# Altium PCB Clock_pcb.PcbDoc (part 1 of 2)
Units mil, origin at the board's own origin, x right, y up, seen from the top; angles counter-clockwise.
Board outline 6729 x 5417 mil, 2 copper layers (Top Layer, Bottom Layer); 84 components, 147 nets, 544 pads, 70 vias.
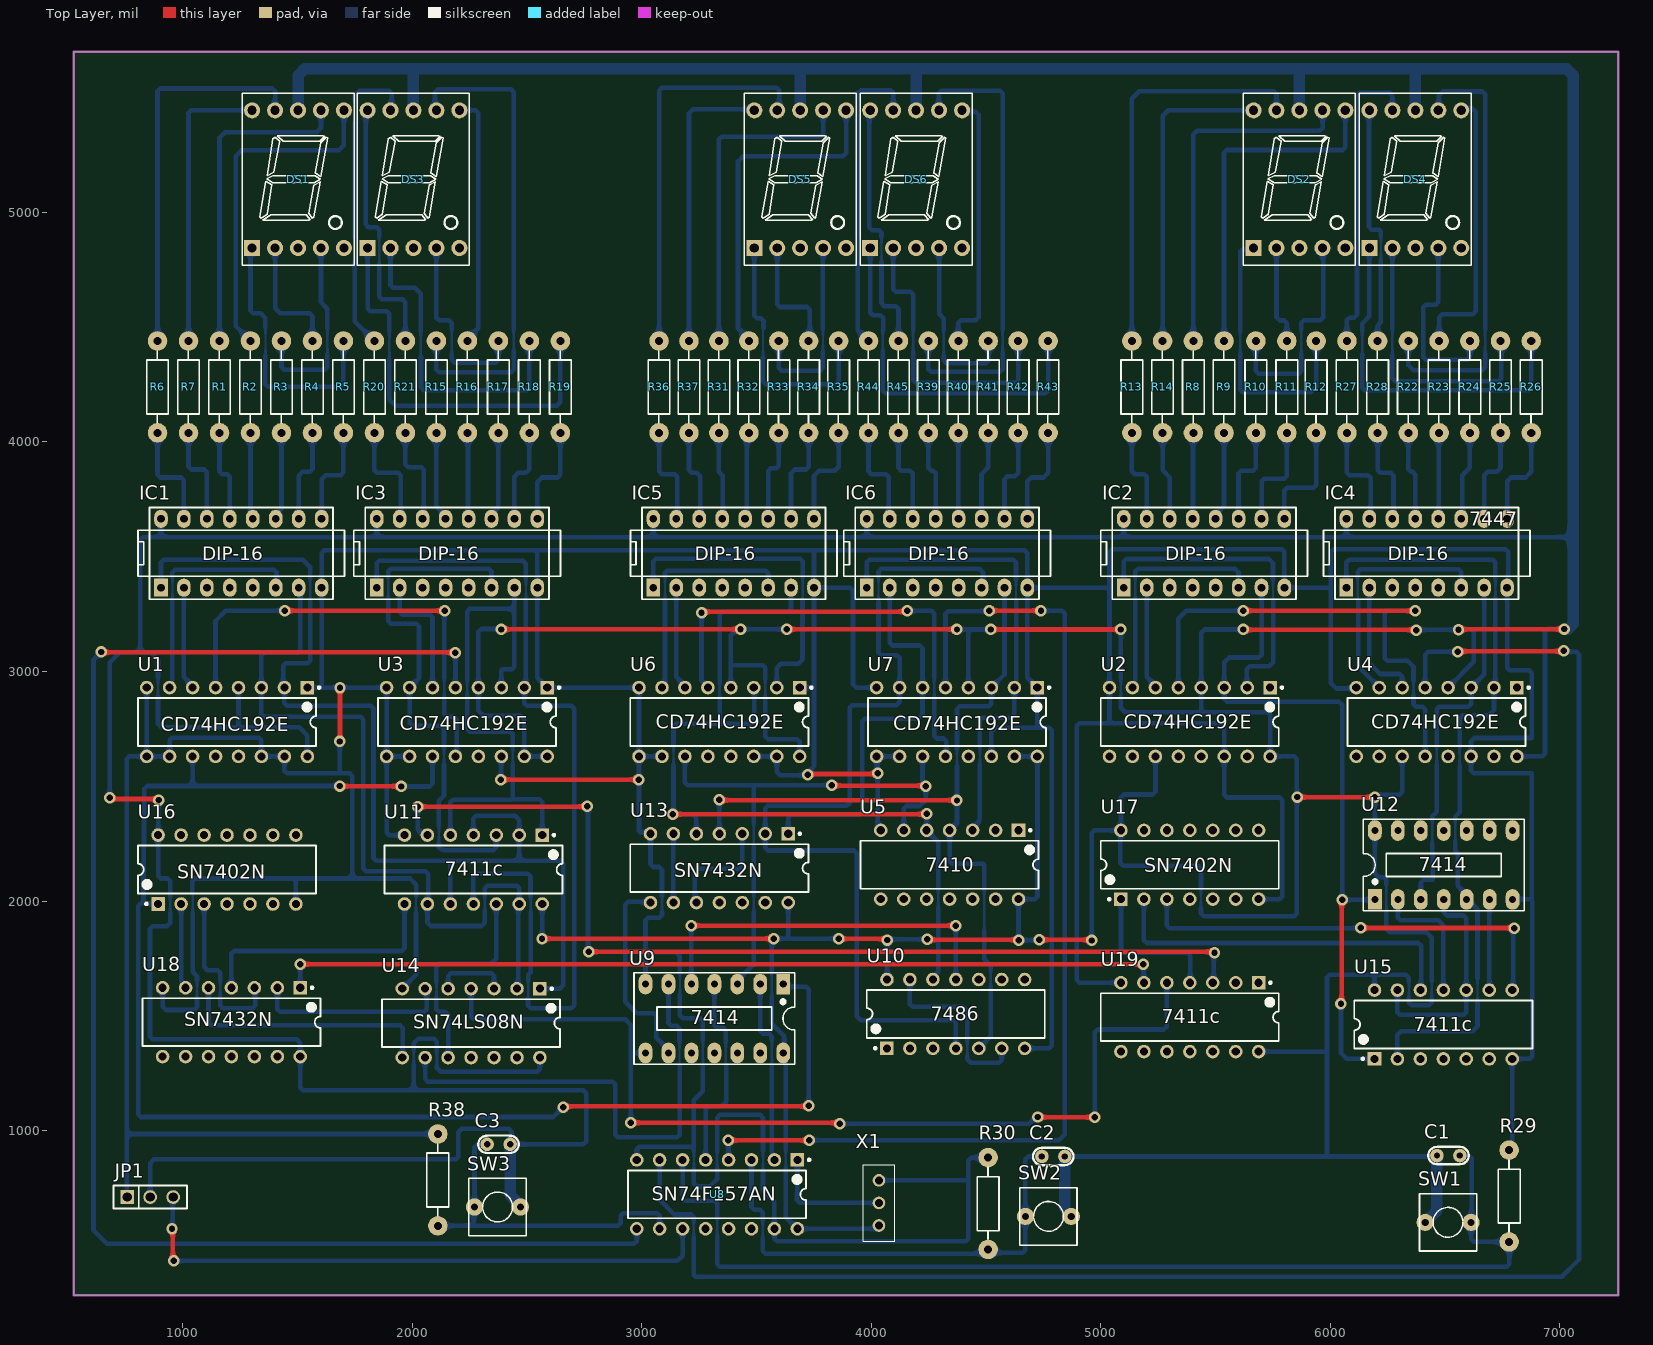
[diagram p0: Top Layer view]
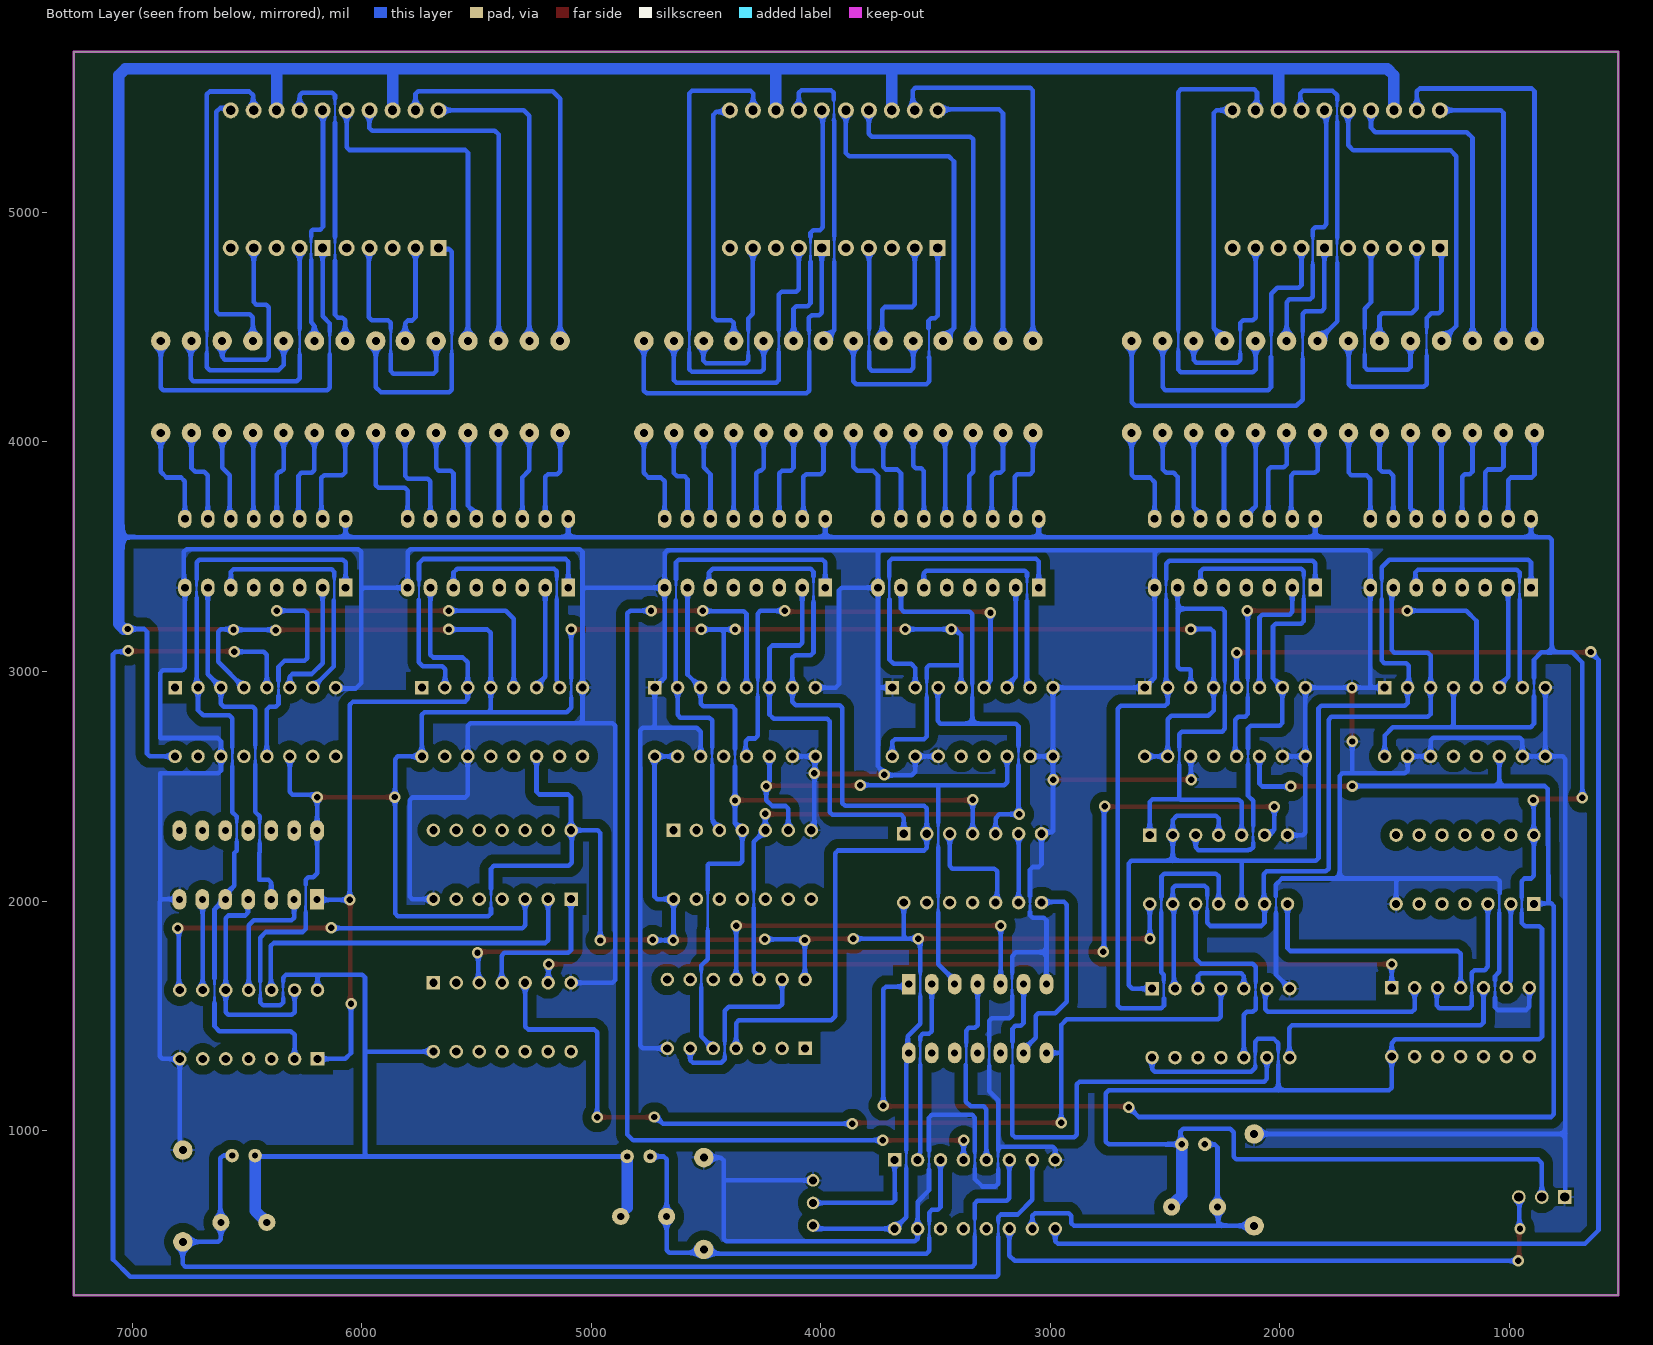
[diagram p1: Bottom Layer view, seen from below]
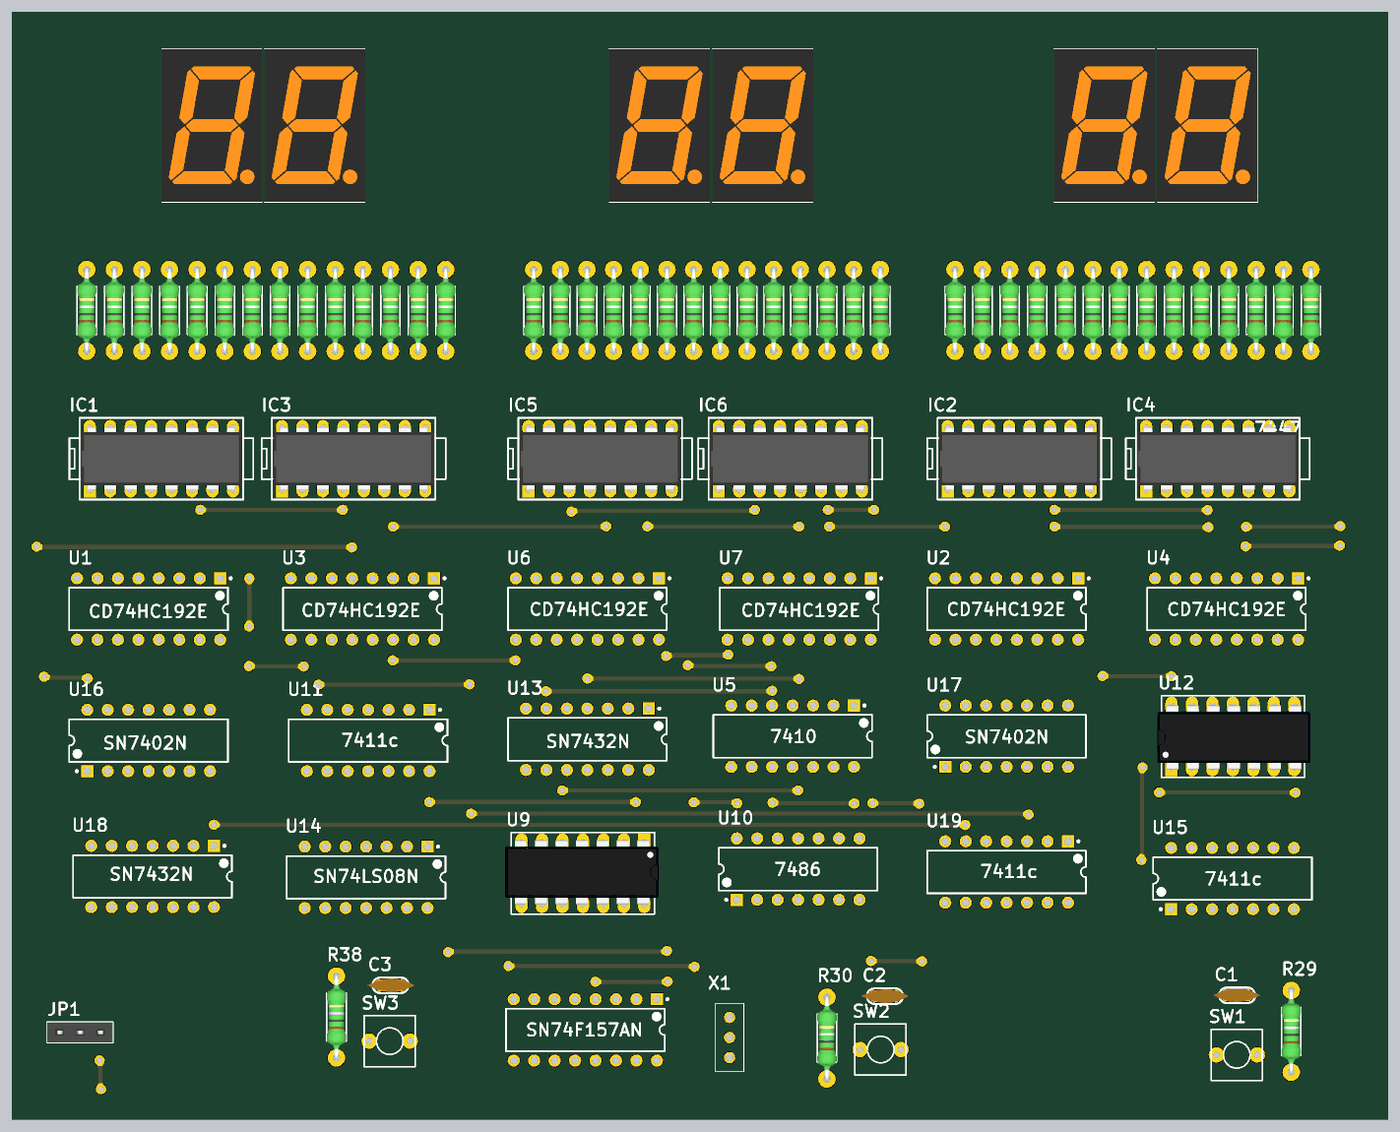
[diagram p3: 3D render of the assembled board from above, using the file's embedded part models]

## Layer stack, top to bottom
Top Solder: solder mask 0.4, Solder Resist, Dk 3.5
Top Layer: signal copper 1.4
Dielectric 1: dielectric 12.6, FR-4, Dk 4.8
Bottom Layer: signal copper 1.4
Bottom Solder: solder mask 0.4, Solder Resist, Dk 3.5

## Board outline
525,283 525,618 525,5700 7254,5700 7254,283

## Design rules (kind name [scope] priority, off if disabled: settings)
Clearance [All] p1: gap=40 ignorepadtopadclearanceinfootprint=FALSE
PolygonConnect [All] p1: connectstyle=Relief reliefconductorwidth=10 reliefentries=4 polygonreliefangle="90 Angle" airgapwidth=10
RoutingVias [All] p1: holewidth=28 width=50 viastyle="Through Hole" minholewidth=15 minwidth=35 maxholewidth=28 maxwidth=50
SolderMaskExpansion [All] p1: expansion=4 istentingtop=FALSE
Width [All] p1: maxlimit=50 minlimit=10 preferedwidth=20
30 further rules are at their usual default settings.

## Classes and differential pairs
component class SCH_RESETDAY: U10 U11 U12 U13 U14 U15 U16 U17 U18 U19
component class Month: C1 C2 C3 DS5 DS6 IC5 IC6 JP1 R29 R30 R31 R32 R33 R34 R35 R36 R37 R38 R39 R40 R41 R42 R43 R44 R45 SW1 SW2 SW3 U6 U7 U8 U9 X1
component class Day: DS1 DS2 DS3 DS4 IC1 IC2 IC3 IC4 R1 R2 R3 R4 R5 R6 R7 R8 R9 R10 R11 R12 R13 R14 R15 R16 R17 R18 R19 R20 R21 R22 R23 R24 R25 R26 R27 R28 U1 U2 U3 U4 U5

## Components (designator, comment, footprint, x,y, rotation, side; value= is the part's Value field where it differs from the comment)
C1 "104" "tu gom" 6514,891 r180 top
C2 "104" "tu gom" 4793,887 r0 top
C3 "104" "tu gom" 2376,940 r0 top
DS1 "7SEG" LED7SEG-1-0.56 1497.05,5120 r0 top
DS2 "7SEG" LED7SEG-1-0.56 5860,5120 r0 top
DS3 "7SEG" LED7SEG-1-0.56 2000,5120 r0 top
DS4 "7SEG" LED7SEG-1-0.56 6365,5120 r0 top
DS5 "7SEG" LED7SEG-1-0.56 3685,5120 r0 top
DS6 "7SEG" LED7SEG-1-0.56 4190,5120 r0 top
IC1 "7447" DIP16 1255.29,3515.08 r0 top value="7447 , 74247"
IC2 "7447" DIP16 5450,3515.08 r0 top value="7447 , 74247"
IC3 "7447" DIP16 2195.29,3515.08 r0 top value="7447 , 74247"
IC4 "7447" DIP16 6420,3515.08 r0 top value="7447 , 74247"
IC5 "7447" DIP16 3400.29,3515.08 r0 top value="7447 , 74247"
IC6 "7447" DIP16 4330.29,3515.08 r0 top value="7447 , 74247"
JP1 "JP 1x3 2.54" "JP 1x3 CT" 758,710 r0 top
R1 "Res" RES-1/4W 1155,4225 r270 top
R2 "Res" RES-1/4W 1290,4225 r270 top
R3 "Res" RES-1/4W 1425,4225 r270 top
R4 "Res" RES-1/4W 1560,4225 r270 top
R5 "Res" RES-1/4W 1695,4225 r270 top
R6 "Res" RES-1/4W 885,4225 r270 top
R7 "Res" RES-1/4W 1020,4225 r270 top
R8 "Res" RES-1/4W 5397.69,4225 r270 top
R9 "Res" RES-1/4W 5531.54,4225 r270 top
R10 "Res" RES-1/4W 5670,4225 r270 top
R11 "Res" RES-1/4W 5805,4225 r270 top
R12 "Res" RES-1/4W 5933.08,4225 r270 top
R13 "Res" RES-1/4W 5130,4225 r270 top
R14 "Res" RES-1/4W 5263.85,4225 r270 top
R15 "Res" RES-1/4W 2100,4225 r270 top
R16 "Res" RES-1/4W 2235,4225 r270 top
R17 "Res" RES-1/4W 2370,4225 r270 top
R18 "Res" RES-1/4W 2505,4225 r270 top
R19 "Res" RES-1/4W 2640,4225 r270 top
R20 "Res" RES-1/4W 1830,4225 r270 top
R21 "Res" RES-1/4W 1965,4225 r270 top
R22 "Res" RES-1/4W 6334.61,4225 r270 top
R23 "Res" RES-1/4W 6468.46,4225 r270 top
R24 "Res" RES-1/4W 6602.31,4225 r270 top
R25 "Res" RES-1/4W 6736.15,4225 r270 top
R26 "Res" RES-1/4W 6870,4225 r270 top
R27 "Res" RES-1/4W 6066.92,4225 r270 top
R28 "Res" RES-1/4W 6200.77,4225 r270 top
R29 "Res" RES-1/4W 6774,700 r270 top
R30 "Res" RES-1/4W 4504,667 r270 top
R31 "Res" RES-1/4W 3330.77,4225 r270 top
R32 "Res" RES-1/4W 3461.15,4225 r270 top
R33 "Res" RES-1/4W 3591.54,4225 r270 top
R34 "Res" RES-1/4W 3721.92,4225 r270 top
R35 "Res" RES-1/4W 3852.31,4225 r270 top
R36 "Res" RES-1/4W 3070,4225 r270 top
R37 "Res" RES-1/4W 3200.38,4225 r270 top
R38 "Res" RES-1/4W 2106,770 r270 top
R39 "Res" RES-1/4W 4243.46,4225 r270 top
R40 "Res" RES-1/4W 4373.85,4225 r270 top
R41 "Res" RES-1/4W 4504.23,4225 r270 top
R42 "Res" RES-1/4W 4634.62,4225 r270 top
R43 "Res" RES-1/4W 4765,4225 r270 top
R44 "Res" RES-1/4W 3982.69,4225 r270 top
R45 "Res" RES-1/4W 4113.08,4225 r270 top
SW1 "Nut Nhan 2 Chan ( Dip )" SW2 6413,600 r0 top
SW2 "Nut Nhan 2 Chan ( Dip )" SW2 4871,626 r180 top
SW3 "Nut Nhan 2 Chan ( Dip )" SW2 2471,667 r180 top
U1 "CD74HC192E" N0016A 1192.73,2780 r270 top
U2 "CD74HC192E" N0016A 5387.44,2780 r270 top
U3 "CD74HC192E" N0016A 2237.98,2780 r270 top
U4 "CD74HC192E" N0016A 6462.68,2780 r270 top
U5 "7410" N0014A 4341,2158 r270 top
U6 "CD74HC192E" N0016A 3337.73,2780 r270 top
U7 "CD74HC192E" N0016A 4372.98,2780 r270 top
U8 "SN74F157AN" N0016A 3327.73,722.03 r270 top
U9 "7414" DIP14 3616.01,1638 r180 top
U10 "7486" N0014A 4368,1508 r90 top
U11 "7411c" N0014A 2266,2137.03 r270 top
U12 "7414" DIP14 6193.7,2007 r0 top
U13 "SN7432N" N0014A 3337.73,2143 r270 top
U14 "SN74LS08N" N0014A 2256,1468.03 r270 top
U15 "7411c" N0014A 6492,1462 r90 top
U16 "SN7402N" N0014A 1192.73,2137.03 r90 top
U17 "SN7402N" N0014A 5387.44,2158 r90 top
U18 "SN7432N" N0014A 1212,1472 r270 top
U19 "7411c" N0014A 5387.44,1494 r270 top
X1 "SS12D00G3" SS12D00G3 4033,684.57 r90 top

## Footprints (in the part's own frame and the unit in brackets; to place one, negate y for a bottom-side part, rotate by r counter-clockwise, add the part's x,y. Pads: shape width x height; smd on the part's side, far side on the other; paste and mask are expansions set on the pad)
DIP14 [mil] "DIP, 14-Leads, Row Spacing 7.62mm, Pitch 2.54mm, Body 19.2x6.6mm"
  rect 60x90 hole 31: 1(0,0)
  oval 60x90 hole 31: 2(100,0) 3(200,0) 4(300,0) 5(400,0) 6(500,0) 7(600,0) 8(600,300) 9(500,300) 10(400,300) 11(300,300) 12(200,300) 13(100,300) 14(0,300)
  silkscreen extent -50,-50 650,350, body extent -70,-12 680,302, height 145
DIP16 [mm]
  rect 1.5x2 hole 0.864: 1(-8.897,-3.812)
  oval 1.5x2 hole 0.864: 2(-6.357,-3.812) 3(-3.817,-3.812) 4(-1.277,-3.812) 5(1.263,-3.812) 6(3.803,-3.812) 7(6.343,-3.812) 8(8.883,-3.812) 9(8.883,3.808) 10(6.343,3.808) 11(3.803,3.808) 12(1.263,3.808) 13(-1.277,3.808) 14(-3.817,3.808) 15(-6.357,3.808) 16(-8.897,3.808)
  silkscreen extent -11.44,-5.08 11.42,5.08, body extent -10,-3.93 10,3.94, height 1.99
"JP 1x3 CT" [mm]
  rect 1.52x1.52 hole 1.02: 1(0,0)
  round 1.52 hole 1.02: 2(2.54,0) 3(5.08,0)
  silkscreen extent -1.52,-1.27 6.6,1.27, body extent -1.52,-1.25 6.6,1.25, height 8.51
LED7SEG-1-0.56 [mil]
  rect 70x70 hole 40: 1(-195,-275)
  round 70 hole 40: 2(-95,-275) 3(5,-275) 4(105,-275) 5(205,-275) 6(205,325) 7(105,325) 8(5,325) 9(-95,325) 10(-195,325)
  silkscreen extent -239,-350 249,400, body extent -241,-349 251,399, height 315
N0014A [mm] "DIP, 14-Leads, Body 19.7x6.6mm, Pitch 2.54mm"
  rect 1.5x1.5 hole 0.9: 1(-3.81,7.62)
  round 1.5 hole 0.9: 2(-3.81,5.08) 3(-3.81,2.54) 4(-3.81,0) 5(-3.81,-2.54) 6(-3.81,-5.08) 7(-3.81,-7.62) 8(3.81,-7.62) 9(3.81,-5.08) 10(3.81,-2.54) 11(3.81,0) 12(3.81,2.54) 13(3.81,5.08) 14(3.81,7.62)
  silkscreen extent -3.93,-9.85 2.65,9.85, body extent -3.95,-9.85 3.95,9.85, height 5.08
N0016A [mm] "DIP, 16-Leads, Body 19.7x6.6mm, Pitch 2.54mm"
  rect 1.5x1.5 hole 0.9: 1(-3.81,8.89)
  round 1.5 hole 0.9: 2(-3.81,6.35) 3(-3.81,3.81) 4(-3.81,1.27) 5(-3.81,-1.27) 6(-3.81,-3.81) 7(-3.81,-6.35) 8(-3.81,-8.89) 9(3.81,-8.89) 10(3.81,-6.35) 11(3.81,-3.81) 12(3.81,-1.27) 13(3.81,1.27) 14(3.81,3.81) 15(3.81,6.35) 16(3.81,8.89)
  silkscreen extent -3.93,-9.85 2.65,10.32, body extent -3.95,-9.85 3.95,9.85, height 5.08
RES-1/4W [mil]
  round 85 hole 35: 1(-215,5) 2(185,5)
  silkscreen extent -173,-42 141,52, body extent -227,-42 197,52, height 95
SS12D00G3 [mm]
  round 1.4 hole 0.9: 1(-2.5,0) 2(0,0) 3(2.5,0)
  silkscreen extent -4.25,-1.75 4.25,1.75
SW2 [mil] "SW button 2pin, 250x 250 mil"
  round 75 hole 31: 1(0,0) 2(200,0)
  silkscreen extent -25,-125 225,125
"tu gom" [mm] "Tu gom mini"
  round 1.5 hole 0.7: 1(-1.27,0) 2(1.27,0)
  silkscreen extent -2.25,-0.97 2.22,0.97, body extent -2.92,-0.85 2.92,0.85, height 6.12

## Part data
C1 C2 C3: library part "Tu gom 104 50V", "Cắm", Chung_Loai=Cắm, Don_Vi=Con, Ma_Hang=MH004761, So_Chan=2, Ten_Linh_Kien="Tụ gốm 104 100nF 50V"
DS1 DS2 DS3 DS4 DS5 DS6: library part LED7SEG-1, "14.2 mm General Purpose Blue 7-Segment Display: CC, RH DP, Gray Surface", Colour=Blue, PackageDocument=24-Sep-2002, ComponentLink1Description="Manufacturer Link", ComponentLink1URL=http://www.agilent.com/, DatasheetDocument=24-Sep-2002, LatestRevisionDate=17-Dec-2003, LatestRevisionNote="Schematic revised, PCB Footprint replaced.", MinimumIntensity="2020 ucd", Note="IF = 10 mA", PackageReference=H, Published=8-Jun-2000, Publisher="Altium Limited"
IC1 IC2 IC3 IC4 IC5 IC6: "BCD to 7-Segment Decoder/Driver"
JP1: library part "JP 1x3 2.54 Cai Thang", "Cắm", Chung_Loai=Cắm, Don_Vi=Con, Ma_Hang=MH004006, Ten_Linh_Kien="Jump Đơn Cái 2.54MM 1x20P Thẳng"
R1 R2 R3 R4 R5 R6 R7 R8 R9 R10 R11 R12 R13 R14 R15 R16 R17 R18 R19 R20 R21 R22 R23 R24 R25 R26 R27 R28 R29 R30 R31 R32 R33 R34 R35 R36 R37 R38 R39 R40 R41 R42 R43 R44 R45: Manufacturer="Generic Components", Class=Passive, Published=08/06/2000, Publisher="Altium Hobart Technology Centre", SubClass=R
SW1 SW2 SW3: "Cắm", Chung_Loai=Cắm, Don_Vi=Con, Ma_Hang=MH001959, Ten_Linh_Kien="Nút Nhấn 2 Chân 6x6x5MM DIP"
U1 U2 U3 U4 U6 U7: library part 74192, "High Speed CMOS Logic Presettable Synchronous BCD Decade Up/Down Counter with Asynchronous Reset, N0016A, TUBE", F @ Nom Voltage(Max)(Mhz)=28, Generic Part Number=CD74HC192, ICC @ Nom Voltage(Max)(mA)=0.08, Manufacturer="Texas Instruments", Operating Temperature Range(C)="-55 to 125", Rating=Catalog, tpd @ Nom Voltage(Max)(ns)=46, Voltage(Nom)(V)=3.3,5, Bits(#)=4, Code_JEDEC=MS-001, DatasheetVersion=SCHS163F, Function=Counter, Input Type=LVTTL/CMOS, Inputs=1, Output Drive (IOL/IOH)(Max)(mA)=5.2/-5.2, Output Type=CMOS, PackageReference=N0016A, Schmitt Trigger=No, Technology Family=HC, Type=Decade, VCC(Max)(V)=6, VCC(Min)(V)=2
U5: "Triple 3-input positive-NAND gates, N0014A, TUBE", F @ Nom Voltage(Max)(Mhz)=70, Generic Part Number=SN74F10, ICC @ Nom Voltage(Max)(mA)=0.0077, Manufacturer="Texas Instruments", Operating Temperature Range(C)="0 to 70", Rating=Catalog, tpd @ Nom Voltage(Max)(ns)=6, Voltage(Nom)(V)=5, Bits(#)=3, Code_JEDEC=MS-001, DatasheetVersion=SDFS039A, Input Type=TTL, Output Drive (IOL/IOH)(Max)(mA)=1/-20, Output Type=TTL, PackageReference=N0014A, Schmitt Trigger=No, Technology Family=F, VCC(Max)(V)=5.5, VCC(Min)(V)=4.5
U8: library part CMP-1633-00611-2, "Quadruple 2-Line To 1-Line Data Selectors/Multiplexers, N0016A, TUBE", F @ Nom Voltage(Max)(Mhz)=70, Generic Part Number=SN74F157A, ICC @ Nom Voltage(Max)(mA)=23, Manufacturer="Texas Instruments", Operating Temperature Range(C)="0 to 70", Rating=Catalog, tpd @ Nom Voltage(Max)(ns)=11, Voltage(Nom)(V)=5, Channels(#)=4, Code_JEDEC=MS-001, Configuration=2：1, DatasheetVersion=SDFS053A, Function=Encoder/Multiplexer, Output Drive (IOL/IOH)(Max)(mA)=20/-1, PackageReference=N0016A, Schmitt Trigger=No, Technology Family=F, Type=Standard, VCC(Max)(V)=5.5, VCC(Min)(V)=4.5
U9 U12: "IC, M74HC04M, Hex Inverter, SO-14", Text Field1=ST, Text Field2=M74HC04M1R, Text Field3=Mouser, Text Field4=511-M74HC04M, Text Field5=SO-14, Text Field6=.22
U10: "High Speed CMOS Logic Quad 2-Input Exclusive-OR Gates, N0014A, TUBE", F @ Nom Voltage(Max)(Mhz)=70, Generic Part Number=CD74HC86, ICC @ Nom Voltage(Max)(mA)=0.02, Manufacturer="Texas Instruments", Operating Temperature Range(C)="-55 to 125", Rating=Catalog, tpd @ Nom Voltage(Max)(ns)=30, Voltage(Nom)(V)=5, Bits(#)=4, DatasheetVersion=SCHS137D, Input Type=CMOS, Output Drive (IOL/IOH)(Max)(mA)=5.2/-5.2, Output Type=CMOS, PackageReference=N0014A, Schmitt Trigger=No, Technology Family=HC, VCC(Max)(V)=6, VCC(Min)(V)=2
U11 U15 U19: "High Speed CMOS Logic Triple 3-Input AND Gates, N0014A, TUBE", F @ Nom Voltage(Max)(Mhz)=70, Generic Part Number=CD74HC11, ICC @ Nom Voltage(Max)(mA)=0.02, Manufacturer="Texas Instruments", Operating Temperature Range(C)="-55 to 125", Rating=Catalog, tpd @ Nom Voltage(Max)(ns)=25, Voltage(Nom)(V)=5, Bits(#)=3, DatasheetVersion=SCHS273E, Input Type=CMOS, Output Drive (IOL/IOH)(Max)(mA)=-5.2/5.2, Output Type=CMOS, PackageReference=N0014A, Schmitt Trigger=No, Technology Family=HC, VCC(Max)(V)=6, VCC(Min)(V)=2
U13 U18: library part CMP-1573-00140-3, "Quad 2-input positive-OR gates, N0014A, TUBE", F @ Nom Voltage(Max)(Mhz)=100, Generic Part Number=SN7432, ICC @ Nom Voltage(Max)(mA)=0.038, Manufacturer="Texas Instruments", Operating Temperature Range(C)="0 to 70", Rating=Catalog, tpd @ Nom Voltage(Max)(ns)=22, Voltage(Nom)(V)=5, Bits(#)=4, Code_JEDEC=MS-001, DatasheetVersion=SDLS100, Input Type=TTL, Output Drive (IOL/IOH)(Max)(mA)=0.8/-16, Output Type=TTL, PackageReference=N0014A, PackageVersion=http://www.ti.com/lit/ml/mpdi002c/mpdi002c.pdf, VCC(Max)(V)=5.25, VCC(Min)(V)=4.75
U14: library part CMP-0777-00259-3, "Quadruple 2-Input Positive-AND Gates, N0014A, TUBE", F @ Nom Voltage(Max)(Mhz)=35, Generic Part Number=SN74LS08, ICC @ Nom Voltage(Max)(mA)=0.021, Manufacturer="Texas Instruments", Operating Temperature Range(C)="0 to 70", Rating=Catalog, tpd @ Nom Voltage(Max)(ns)=25, Voltage(Nom)(V)=5, Bits(#)=4, DatasheetVersion=SDLS033, Input Type=TTL, Output Drive (IOL/IOH)(Max)(mA)=-0.8/16, Output Type=TTL, PackageReference=N0014A, Schmitt Trigger=No, Technology Family=LS, VCC(Max)(V)=5.25, VCC(Min)(V)=4.75
U16 U17: library part CMP-0806-00203-3, "Quad 2-input Positive-NOR gates, N0014A, TUBE", F @ Nom Voltage(Max)(Mhz)=75, Generic Part Number=SN7402, ICC @ Nom Voltage(Max)(mA)=0.027, Manufacturer="Texas Instruments", Operating Temperature Range(C)="0 to 70", Rating=Catalog, tpd @ Nom Voltage(Max)(ns)=22, Voltage(Nom)(V)=5, Bits(#)=4, Code_JEDEC=MS-001, DatasheetVersion=SDLS027, Input Type=TTL, Output Drive (IOL/IOH)(Max)(mA)=0.8/-16, Output Type=TTL, PackageReference=N0014A, PackageVersion=http://www.ti.com/lit/ml/mpdi002c/mpdi002c.pdf, VCC(Max)(V)=5.25, VCC(Min)(V)=4.75
X1: "3 Pin Toggle Switch", Manufacturer_Name=Vimex, Datasheet Link=http://vimex.com/switches/techdocs/SS12D00-tech.pdf, Geometry.Height=7mm, Manufacturer_Part_Number=SS12D00G3

## Via types
v1: diameter 50, hole 28, Top Layer to Bottom Layer, 70 vias

## Nets (pads, with @x,y where several pads share a name; then routed paths per layer and width w, separated by ;. In a path a pad name is that pad's centre, name@x,y a point inside that pad or via, vN(x,y) a via of type N, cw(c..) or ccw(c..) an arc to the next point about the centre after c; other vN are vias at no path point)
+5: C1.2 C2.2 C3.2 DS1.8 DS2.8 DS3.8 DS4.8 DS5.8 DS6.8 IC1.16 IC2.16 IC3.16 IC4.16 IC5.16 IC6.16 JP1.2 SW1.1 SW2.1 SW3.1 U1.4 U1.16 U2.4 U2.11 U2.16 U3.4 U3.15 U3.16 U4.4 U4.11 U4.16 U5.14 U6.4 U6.16 U7.4 U7.15 U7.16 U8.16 U9.14 U10.14 U11.14 U12.14 U13.14 U14.14 U15.14 U16.14 U17.14 U18.14 U19.14 X1.1 | length 48721.7
  Top Layer w20: v1(681,2449) 685.5,2444.5 890.5,2444.5 v1(895,2440) ; v1(2388,3183) 2388.5,3183.5 3429.5,3183.5 v1(3430,3184) ; v1(2565,1836) v1(3575,1836) ; v1(3631,3184) 3631.5,3183.5 4372.5,3183.5 v1(4373,3183) ; v1(3857,1835) 4065,1835 v1(4070,1830) ; v1(4243,1833) 4245,1831 4641,1831 v1(4643,1829) ; v1@4540.12,3183 v1(5087,3183) ; v1(4732,1831) 4957,1831 v1(4960,1828) ; v1(5621,3183) 5622.5,3181.5 6372.5,3181.5 v1(6374,3180) ; v1(5856,2453) 5857.02,2451.98 v1(6193.7,2451.98) ; v1@6558.5,3183.5 7017.5,3183.5 v1(7019,3185)
  Bottom Layer w10: 892,2892 892,2973 ; 945,1949 945,2017 ; 2006,1287 2006,1352 ; 2107,1282 2107,1344 ; 3538,2888 3538,2968 ; 3566,1584 3566,1692 ; 3627,836 3627,915 ; 5087,2886 5087,2971 ; 5436,1968 5436,2054 ; 6243.75,1949.75 6243.75,2071.75 6244,2072 ; 6342,1577 6342,1650 ; 6441,1577 6441,1649 6442,1650
  Bottom Layer w20: v1(681,2449) 681,3039 725,3083 814,3083 ; JP1.2@858,710 858,858 874,874 2189.28,874 2201,885.72 2201,993 2216,1008 2420.28,1008 2432,996.28 2432,946 C3.2@2426,940 2745.28,940 2757,951.72 2757,1163.28 2745.28,1175 2006,1175 ; 892,2892 892,2772 907,2757 1254.45,2757 ; 892,2973 892,3051 860,3083 814,3083 ; v1(895,2440) 893.87,2438.87 893.87,2288.16 U16.14@892.73,2287.03 892.73,2109.72 904.45,2098 933.28,2098 945,2086.28 945,2017 ; IC1.16@905,3665 905,3585.15 ; 945,1949 945,1904 931,1890 868.72,1890 857,1878.28 857,1408.72 868.72,1397 1495.8,1397 1512,1380.8 1512,1186.72 1523.72,1175 2006,1175 ; U1.4@1242.73,2930 1242.73,2768.72 1254.45,2757 ; U1.16@1542.73,2630 1542.73,2721.27 1507,2757 1254.45,2757 ; IC3.16@1845,3665 1845,3585.15 ; 2006,1287 2006,1175 ; 2006,1352 2006,1380 2025,1399 2095.28,1399 2107,1387.28 2107,1344 ; 2107,1282 2107,1272.72 2123.72,1256 2544.28,1256 2556,1267.72 U14.14@2556,1318.03 ; v1(2388,3183) 2386.02,3184.98 2299.69,3184.98 2287.98,3173.26 U3.4@2287.98,2930 2287.98,2830.02 2311,2807 2473,2807 2487.98,2792.02 U3.15@2487.98,2630 U3.16@2587.98,2630 ; v1(2565,1836) 2566,1837 U11.14@2566,1987.03 ; IC5.16@3050,3665 3050,3585.15 ; U6.4@3387.73,2930 3387.73,3027.73 3388,3028 ; 3538,2888 3538,2716.72 3549.72,2705 3676.02,2705 3687.73,2693.28 U6.16@3687.73,2630 ; 3538,2968 3538,3016.28 3526.28,3028 3388,3028 ; 3566,1584 3566,1466 3620.56,1411.44 3620.56,1342.55 U9.14@3616.01,1338 3623.66,1330.35 3623.66,1294.63 3627,1291.28 3627,915 ; 3566,1692 3566,1824.55 3577.72,1836.27 3626.02,1836.27 ; 3627,836 3627,622.76 U8.16@3677.73,572.03 4009.38,572.03 4023.5,586.15 X1.1@4033,586.15 ; v1(3631,3184) v1(3430,3184) 3413.12,3184 3388,3158.88 3388,3028 ; U13.14@3637.73,1993 3637.73,1847.98 3626.02,1836.27 ; v1(3857,1835) 3855.73,1836.27 3626.02,1836.27 ; IC6.16@3980,3665 3980,3585.15 ; U10.14@4068,1658 4069,1659 4069,1829 v1(4070,1830) 4073,1833 v1(4243,1833) ; v1(4373,3183) 4434.69,3183 ; U7.4@4422.98,2930 4422.98,3171.28 4434.69,3183 ; v1(4520,3183) 4434.69,3183 ; U7.15@4622.98,2630 U7.16@4722.98,2630 4724,2628.98 4724,2019.72 4712.28,2008 U5.14@4641,2008 4641,1831 v1(4643,1829) 4730,1829 v1(4732,1831) ; C2.2@4843,887 5973.28,887 ; v1(4960,1828) 4960,2296.28 4971.72,2308 U17.14@5087.44,2308 ; 5087,2886 5087,2841.72 5105.72,2823 5449.15,2823 ; 5087,2971 v1@5087,3172 ; IC2.16@5099.71,3665 5099.71,3585.15 ; U2.11@5237.44,2630 5238,2629.44 5238,2475.72 5226.28,2464 5099.15,2464 5087.44,2452.28 U17.14@5087.44,2308 ; 5436,1968 5436,1945.72 5447.72,1934 5842.28,1934 5854,1945.72 5854,2618.28 5842.28,2630 U2.16@5737.44,2630 5737.44,2811.28 5725.72,2823 5449.15,2823 ; 5436,2054 5436,2141.28 5424.28,2153 5097,2153 5084,2166 5084,2304.56 U17.14@5087.44,2308 ; v1(5621,3183) 5452.12,3183 5437.44,3168.32 U2.4@5437.44,2930 5437.44,2834.72 5449.15,2823 ; U19.14@5687.44,1344 5981.72,1344 5985,1347.28 ; IC4.16@6069.71,3665 6069.71,3585.15 ; U15.14@6192,1612 6192,1667.28 6180.28,1679 ; 6243.75,1949.75 6243.75,1877.96 6256.72,1865 6417,1865 6442,1840 6442,1650 ; 6244,2072 6244,2092.28 6232.28,2104 6210.72,2104 6193.7,2121.02 U12.14@6193.7,2307 v1(6193.7,2451.98) 6205.42,2463.7 6300.97,2463.7 6312.68,2475.42 U4.11@6312.68,2630 ; 6342,1577 6342,1557.72 6353.72,1546 6429.28,1546 6441,1557.72 6441,1577 ; 6342,1650 6342,1666.28 6329.28,1679 6180.28,1679 ; v1(6374,3180) 6376,3182 v1(6558,3182) 6560,3184 6613.28,3184 6625,3172.28 6625,3042.32 U4.4@6512.68,2930 ; C1.2@6464,891 6460,887 5973.28,887 ; U4.16@6812.68,2630 6923.28,2630 6935,2641.72 6935,3173.28 6946.72,3185 v1(7019,3185) ; 7058,3585.15 6069.71,3585.15 ; 814,3083 814,3573.43 825.72,3585.15 905,3585.15 ; 905,3585.15 1845,3585.15 ; 1845,3585.15 3050,3585.15 ; 3050,3585.15 3980,3585.15 ; 3980,3585.15 5099.71,3585.15 ; 5099.71,3585.15 6069.71,3585.15 ; 5973.28,887 5985,898.72 5985,1347.28 ; 5985,1347.28 5985,1667.28 5996.72,1679 6180.28,1679
  Bottom Layer w50: DS1.8@1502.05,5445 1502.05,5596.71 1531.34,5626 2009,5626 ; DS3.8@2005,5445 2005,5622 2009,5626 ; C3.2@2426,940 2426,718.76 2471,673.76 SW3.1@2471,667 ; DS5.8@3690,5445 3690,5623 3687,5626 ; DS6.8@4195,5445 4195,5623 4198,5626 ; 4843,662.76 C2.2@4843,887 ; DS2.8@5865,5445 5865,5621 5870,5626 ; DS4.8@6370,5445 6370,5624 6372,5626 ; SW1.1@6413,600 6464,651 C1.2@6464,891 ; v1(7019,3185) 7035.89,3185 7058,3207.11 7058,3585.15 7058,5596.71 7028.71,5626 6372,5626 ; 2009,5626 3687,5626 ; 3687,5626 4198,5626 ; 4198,5626 5870,5626 ; 5870,5626 6372,5626
A1: IC3.7 U3.3 U11.1 U11.5 | length 2394.8
  Bottom Layer w10: 2239,2896 2239,2960 ; 2438,2594 2438,2670
  Bottom Layer w20: U11.5@2166,2287.03 2166,2430.28 2177.72,2442 2434,2442 ; 2239,2896 2239,2749.72 2250.72,2738 2426.28,2738 2438,2726.28 2438,2670 ; 2239,2960 2238.79,2960.21 2238.79,3261.28 2250.5,3273 2445,3273 ; U3.3@2387.98,2930 2387.98,3005.02 2391.95,3009 2433.28,3009 2445,3020.72 2445,3273 ; 2434,2442.99 2554.28,2442.99 2566,2431.27 U11.1@2566,2287.03 ; 2438,2442.99 2438,2594 ; IC3.7@2445,3365 2445,3273
A2: IC6.7 U5.4 U7.3 U10.5 U13.4 | length 3537.9
  Top Layer w20: v1(3337.73,2440.26) 3338.86,2439.13 4371.87,2439.13 v1(4373,2438)
  Bottom Layer w10: 4373,2586 4373,2664 ; 4492,1870 4492,2047 ; 4520,1623 4520,1701
  Bottom Layer w20: U13.4@3337.73,2293 v1(3337.73,2440.26) ; 4373,2586 4373,2340 U5.4@4341,2308 4341,2173.72 4352.72,2162 4487,2162 4492,2157 4492,2047 ; 4373,2664 4373,2836.28 4384.72,2848 4511.26,2848 4522.98,2859.72 U7.3@4522.98,2930 4580,2987.02 IC6.7@4580,3365 ; U10.5@4468,1358 4520,1410 4520,1623 ; 4492,1870 4492,1747 4520,1719 4520,1701
A3: IC4.7 U4.3 U12.3 | length 1572.4
  Bottom Layer w10: 6444,2252 6444,2356 ; 6463,2596 6463,2678
  Bottom Layer w20: U12.3@6393.7,2007 6393.7,2080.28 6405.42,2092 6446,2092 6446,2211 6444,2213 6444,2252 ; 6444,2356 6444,2369 6463,2388 6463,2596 ; 6463,2678 6463,2835.28 6474.72,2847 6601.28,2847 6613,2858.72 6613,2929.68 U4.3@6612.68,2930 6670,2987.32 6670,3364.71 IC4.7@6669.71,3365
B1: IC3.1 U3.2 U11.11 | length 4055
  Bottom Layer w10: 2495,3313 2495,3402 ; 2504,1576 2505,1577 2505,1656 ; 2516,1950 2516,2017
  Bottom Layer w20: IC3.1@1845,3365 1845,3471.28 1856.72,3483 2481,3483 2495,3469 2495,3402 ; U11.11@2266,1987.03 2266,2107.28 2277.72,2119 2503.28,2119 2515,2107.28 2515,2018 2516,2017 ; 2495,3313 2495,2937.02 U3.2@2487.98,2930 2487.98,2861.72 2499.69,2850 2693.28,2850 2705,2838.28 2705,1544.72 2693.28,1533 2515.72,1533 2504,1544.72 2504,1576 ; 2505,1656 2505,1678 2516,1689 2516,1950
B2: IC6.1 U5.3 U7.2 | length 2090.5
  Bottom Layer w10: 4473,2593 4473,2669 ; 4630,3402 4630,3311 4631,3310
  Bottom Layer w20: IC6.1@3980,3365 3980,3475.28 3991.72,3487 4618.28,3487 4630,3475.28 4630,3402 ; U5.3@4441,2308 4441,2318.57 4469,2346.57 4469,2352 4473,2356 4473,2593 ; 4473,2669 4473,2787.28 4484.72,2799 4611.26,2799 4622.98,2810.72 U7.2@4622.98,2930 4630.45,2937.47 4630.45,2960.69 4631,2961.24 4631,3310
B3: IC4.1 U4.2 U12.5 U15.2 | length 3444
  Bottom Layer w10: 6544,2258 6544,2358 ; 6563,2587 6563,2671 ; 6641,1555 6641,1664 ; 6719,3321 6719,3401
  Bottom Layer w20: IC4.1@6069.71,3365 6069.71,3475.28 6081.42,3487 6707.28,3487 6719,3475.28 6719,3401 ; U15.2@6292,1312 6292,1417 6308,1433 6619.28,1433 6641,1454.72 6641,1555 ; 6544,2258 6544,2219 6554,2209 6554,2067.15 6593.7,2027.45 U12.5@6593.7,2007 6593.7,2002.82 6612.18,1984.35 6620.53,1984.35 6641,1963.88 6641,1664 ; 6544,2358 6544,2368 6563,2387 6563,2587 ; 6563,2671 6563,2796.28 6575.72,2809 6690,2809 6712.68,2831.68 U4.2@6712.68,2930 6719,2936.32 6719,3321
C1: IC3.2 U3.6 | length 564.3
  Bottom Layer w20: IC3.2@1945,3365 1945,3259.72 1956.72,3248 2076.26,3248 2087.98,3236.28 U3.6@2087.98,2930
C2: IC6.2 U7.6 U13.1 | length 1755
  Bottom Layer w20: U13.1@3637.73,2293 3637.73,2363.28 3649.45,2375 3948.28,2375 3960,2386.72 3960,2782.28 3971.72,2794 4204.28,2794 4222.98,2812.69 4222.98,3101.28 4211.26,3113 4091.72,3113 4080,3124.72 IC6.2@4080,3365
C3: IC4.2 U4.6 | length 543.4
  Bottom Layer w20: IC4.2@6169.71,3365 6169.71,3036.29 6217,2989 6300.97,2989 6312.68,2977.28 U4.6@6312.68,2930
D1: IC3.6 U3.7 U11.3 | length 2328.5
  Bottom Layer w10: 1895,3316 1895,3418 ; 2116,2253 2116,2329 ; 2138,2594 2138,2666
  Bottom Layer w20: 1895,3316 1895,3219.72 1906.72,3208 2017.28,3208 2029,3196.28 2029,2971.02 U3.7@1987.98,2930 1987.98,2775.72 1999.69,2764 2126.28,2764 2138,2752.28 2138,2666 ; 1895,3418 1895,3436.28 1906.72,3448 2333.28,3448 2345,3436.28 IC3.6@2345,3365 ; 2116,2253 2116,2234.93 2127.72,2223.22 2135.78,2223.22 2137,2222 2354.28,2222 2366,2233.72 U11.3@2366,2287.03 ; 2116,2329 2116,2437 2138,2459 2138,2594
D2: IC6.6 U7.7 U10.4 U13.2 | length 4046.3
  Bottom Layer w10: 4031,3302 4031,3415
  Bottom Layer w20: 4031,3302 4031,3082.72 4042.72,3071 4111.26,3071 4122.98,3059.28 U7.7@4122.98,2930 4122.98,2867.98 4108,2853 3916.72,2853 3905,2841.28 3905,2426.72 3893.28,2415 3549.45,2415 3537.73,2403.28 U13.2@3537.73,2293 3537.73,2231.72 3549.45,2220 3924.28,2220 3936,2208.28 3936,1498 3954,1480 4356.28,1480 4368,1468.28 U10.4@4368,1358 ; 4031,3415 4031,3435.28 4042.72,3447 4470,3447 4487,3430 4487,3372 IC6.6@4480,3365
D3: IC4.6 U4.7 | length 1070.8
  Bottom Layer w10: 6119,3414 6119,3313 6121,3311
  Bottom Layer w20: 6119,3414 6119,3433.28 6130.72,3445 6557.99,3445 6569.71,3433.28 IC4.6@6569.71,3365 ; 6121,3311 6121,3021.68 U4.7@6212.68,2930
DAY_IN: U3.5 U8.9 | length 6670.5
  Top Layer w20: v1(645,3085) 647,3083 2185,3083 v1(2187,3081)
  Bottom Layer w20: v1(645,3085) 611,3051 611,565 670,506 2966.02,506 2977.73,517.72 U8.9@2977.73,572.03 ; v1@2187,3072 2187.98,3071.02 U3.5@2187.98,2930
DAY_SWT: C3.1 R38.2 SW3.2 U8.10 | length 1479.2
  Bottom Layer w20: R38.2@2111,585 2253,585 ; C3.1@2326,940 2325.1,939.1 2282.72,939.1 2271,927.38 SW3.2@2271,667 2267.5,663.5 2267.5,599.5 2253,585 ; U8.10@3077.73,572.03 3077.73,628.28 3066.02,640 2919.72,640 2908,628.28 2908,596.72 2896.28,585 2253,585
E1: IC1.7 U1.3 U11.9 U11.13 U14.2 | length 3331.1
  Bottom Layer w10: 2316,1958 2316,2024
  Bottom Layer w20: IC1.7@1505,3365 1512,3358 1512,3093.72 1500.28,3082 1354.45,3082 1342.73,3070.28 U1.3@1342.73,2930 1342.73,2813.72 1354.45,2802 1775.28,2802 1787,2790.28 1787,2140.72 1798.72,2129 2057.28,2129 2069,2117.28 2069,1990.03 U11.9@2066,1987.03 2066,1906 2081,1891 2302.28,1891 2316,1904.72 2316,1958 ; 2316,2024 2316,2055.28 2327.72,2067 2454.28,2067 2466,2055.28 U11.13@2466,1987.03 2461,1982.03 2461,1623.03 U14.2@2456,1618.03
E2: IC5.7 U5.5 U6.3 U10.12 U13.5 | length 3818.7
  Top Layer w20: v1(3135,2378) 4239,2378 v1(4241,2380)
  Bottom Layer w10: 3138,2591 3138,2676 ; 3339,2887 3339,2946 ; 4291,1971 4291,2049
  Bottom Layer w20: 3138,2591 3138,2381 v1(3135,2378) 3221.02,2378 3237.73,2361.28 U13.5@3237.73,2293 ; 3138,2676 3138,2761.28 3149.72,2773 3339,2773 ; 3339,2887 3339,2773 ; 3339,2946 3339,3249.28 3350.72,3261 3638.28,3261 3650,3272.72 IC5.7@3650,3365 ; U6.3@3487.73,2930 3490,2927.73 3490,2784.72 3478.28,2773 3339,2773 ; v1(4241,2380) U5.5@4241,2308 4291,2258 4291,2049 ; U10.12@4268,1658 4268,1668.57 4291,1691.57 4291,1971
E3: IC2.7 U2.3 U12.1 U15.1 | length 2969.8
  Top Layer w20: v1(6046,1553) 6049,1556 6049,2002 v1(6052,2005)
  Bottom Layer w20: IC2.7@5699.71,3365 5700,3364.71 5700,3072.72 5688.28,3061 5559,3061 5537.44,3039.44 5537.44,2880.72 5549.15,2869 6037.28,2869 6052,2854.28 v1(6052,2005) 6191.7,2005 U12.1@6192.69,2005.99 ; v1(6046,1553) 6046,1337.72 6071.72,1312 U15.1@6192,1312
F1: IC1.1 U1.2 U11.2 U11.4 U11.10 U14.1 | length 4656.1
  Bottom Layer w10: 1555,3405 1555,3315 1556,3314
  Bottom Layer w20: IC1.1@905,3365 905,3475.28 916.72,3487 1522,3487 1555,3454 1555,3405 ; 1556,3314 1556,3047.72 1544.28,3036 1448.72,3036 1437,3024.28 1437,2935.73 U1.2@1442.73,2930 1442.73,2862.72 1454.45,2851 1819.28,2851 1831,2839.28 1831,2186.72 1842.72,2175 2161,2175 ; U11.10@2166,1987.03 2166,2170 2161,2175 ; U11.4@2266,2287.03 2266,2359.28 2277.72,2371 2448,2371 2466,2353 U11.2@2466,2287.03 2466,2175 ; U14.1@2556,1618.03 2642.31,1618.03 2658,1633.72 2658,2163.28 2646.28,2175 2466,2175 ; 2161,2175 2466,2175
F3: IC2.1 U2.2 | length 1416.5
  Bottom Layer w10: 5750,3400 5750,3314 5751,3313
  Bottom Layer w20: IC2.1@5099.71,3365 5099.71,3478.28 5111.42,3490 5732,3490 5750,3472 5750,3400 ; U2.2@5637.44,2930 5636,2931.44 5636,3010.28 5647.72,3022 5733,3022 5751,3040 5751,3313
G3: IC2.2 U2.6 | length 450.6
  Bottom Layer w20: IC2.2@5199.71,3365 5199.71,2976.45 5237.44,2938.72 U2.6@5237.44,2930
GND: IC1.8 IC2.8 IC3.8 IC4.8 IC5.8 IC6.8 JP1.1 R29.1 R30.1 R38.1 U1.1 U1.8 U1.9 U1.10 U1.14 U1.15 U2.8 U2.14 U3.1 U3.8 U3.9 U3.10 U3.14 U4.8 U4.14 U5.7 U6.1 U6.8 U6.9 U6.10 U6.14 U6.15 U7.1 U7.8 U7.9 U7.10 U7.14 U8.8 U8.15 U9.7 U10.7 U11.7 U12.7 U13.7 U14.7 U15.7 U16.7 U17.7 U18.7 U19.7 X1.3 | length 36069.6
  Top Layer w20: v1(1684,2695) 1685,2696 v1(1685,2930) ; v1(2386,2529) v1(2986,2529) ; v1(3722,2550) 3725.5,2553.5 4023.5,2553.5 v1(4027,2557)
  Bottom Layer w10: 1042,2033 1043,2032 1043,1948 ; 1062,1578 1062,1656 ; 2016,1947 2016,2020 2017,2021 ; 3088,1954 3088,2020 ; 3166,1587 3166,1687 ; 3227,832 3227,912 ; 3266,1283 3266,1391 ; 3328,834 3328,908 ; 3528,829 3528,913
  Bottom Layer w20: JP1.1@775,710 755.08,729.92 755.08,741.56 755,741.64 755,985 ; U1.8@842.73,2930 U1.9@842.73,2630 ; U18.7@912,1622 912,1540 927,1525 1050.28,1525 1062,1536.72 1062,1578 ; 1042,2033 1042,2086.28 1053.72,2098 1481.28,2098 ; 1043,1948 1043.28,1947.72 1043.28,1691 1062,1672.28 1062,1656 ; U16.7@1492.73,1987.03 1493,1987.3 1493,2086.28 1481.28,2098 ; U1.1@1542.73,2930 1593.28,2930 ; v1(1684,2695) 1684,2563.27 1691,2556.27 ; U14.7@1956,1618.03 2016,1678.03 2016,1947 ; U11.7@1966,2287.03 1964.95,2285.98 1899.69,2285.98 1887.98,2297.69 U3.9@1887.98,2630 ; U3.10@1987.98,2630 U3.9@1887.98,2630 ; 2017,2021 2017,2071 1990,2098 1739,2098 ; R38.1@2111,985 755,985 ; v1(2386,2529) 2386.99,2529.99 2386.99,2629.01 U3.14@2387.98,2630 ; U8.8@2977.73,872.03 2977.73,918.28 2989.45,930 3215.28,930 3227,918.28 ; v1(2986,2529) v1@2987,2528 ; v1@2987.73,2528 2987.73,2304.72 2991.98,2300.47 3030.26,2300.47 U13.7@3037.73,2293 3037.73,2159.72 3049.45,2148 3076.28,2148 3088,2136.28 3088,2020 ; v1@2987.73,2529 U6.9@2987.73,2630 ; U9.7@3016.01,1638 3016.01,1776.64 ; U6.10@3087.73,2630 U6.9@2987.73,2630 ; 3088,1954 3088,1938.72 3076.28,1927 3027.72,1927 3016.01,1915.28 3016.01,1776.64 ; 3166,1587 3166,1501.72 3177.72,1490 3254.28,1490 3266,1478.28 3266,1391 ; 3166,1687 3166,1759.93 3149.28,1776.64 3016.01,1776.64 ; 3227,832 3227,767.72 3238.72,756 3295,756 3328,789 3328,834 ; 3227,912 3227,918.28 ; 3266,1283 3266.07,1282.93 3266.07,1171.07 3227,1132 3227,918.28 ; 3328,908 3328,1056.28 3339.72,1068 3516.28,1068 3528,1056.28 3528,913 ; U6.14@3487.73,2630 U6.15@3587.73,2630 3587.73,2562.98 3602.72,2548 3720,2548 v1(3722,2550) 3722,2558.12 3750.27,2586.39 3750.27,2913 3750,2913.27 3750,2924.14 ; 3528,829 3528,739.02 3577.73,689.28 U8.15@3577.73,572.03 3577.73,528.98 3589.45,517.27 4411.28,517.27 4423,528.98 4423,785 ; U6.1@3687.73,2930 3744.14,2930 3750,2924.14 ; U7.8@4022.98,2930 3934,2930 3920,2944 3920,3353.28 3908.28,3365 IC5.8@3750,3365 ; X1.3@4033,783 4421,783 4423,785 ; U5.7@4041,2308 4041,2318.57 4027,2332.57 v1(4027,2557) 4024.99,2559.01 4024.99,2627.99 U7.9@4022.98,2630 U7.10@4122.98,2630 ; R30.1@4509,882 4434.72,882 4423,870.28 4423,785 ; U7.14@4522.98,2630 4522.98,2737.98 4540,2755 4734.69,2755 ; U10.7@4668,1358 4774.28,1358 4786,1369.72 4786,2743.28 4774.28,2755 4734.69,2755 ; U19.7@5087.44,1644 4906.72,1644 4895,1655.72 4895,2763.49 4906.72,2775.2 5049.15,2775.2 ; U17.7@5687.44,2008 5779.28,2008 5791,2019.72 5791,2439.28 5779.28,2451 5549.15,2451 5537.44,2462.72 U2.14@5537.44,2630 5537.44,2763.49 5525.72,2775.2 5049.15,2775.2 ; U4.8@6112.68,2930 6108.68,2926 6026,2926 6002,2950 6002,3353.28 ; R29.1@6779,915 6791.44,927.44 6791.44,958.65 6792,959.22 U15.7@6792,1312 6868.28,1312 6880,1323.72 6880,1996.28 ; U12.7@6793.7,2007 6794.7,2008 6868.28,2008 ; 6878,1998.28 6878,2557 6624.4,2557 6612.68,2568.72 U4.14@6612.68,2630 6612.68,2696.68 6626,2710 6878,2710 6878,2993.28 6866.28,3005 6781.42,3005 6769.71,3016.72 IC4.8@6769.71,3365 6774,3369.29 6774,3521.28 6762.28,3533 6013.72,3533 6002,3521.28 6002,3353.28 ; 755,985 755,2618.28 766.72,2630 U1.9@842.73,2630 ; U1.9@842.73,2630 U1.10@942.73,2630 942.73,2700.28 954.45,2712 1331.02,2712 1342.73,2700.28 U1.14@1342.73,2630 U1.15@1442.73,2630 1442.73,2567.98 1454.45,2556.27 1691,2556.27 ; 1481.28,2098 1739,2098 ; 1593.28,2930 v1(1685,2930) U3.8@1887.98,2930 U3.9@1887.98,2630 ; 1593.28,2930 1605,2941.72 IC1.8@1605,3365 1605,3516.28 1616.72,3528 2533.28,3528 ; 1691,2556.27 1727.28,2556.27 1739,2544.55 1739,2098 ; 2533.28,3528 3750.72,3528 ; 2533.28,3528 2545,3516.28 IC3.8@2545,3365 2545,2972.98 U3.1@2587.98,2930 U6.8@2987.73,2930 U6.9@2987.73,2630 ; 3750,2924.14 IC5.8@3750,3365 ; IC5.8@3750,3365 3750,3527.28 3750.72,3528 ; 3750.72,3528 4668.28,3528 4680,3516.28 IC6.8@4680,3365 ; IC6.8@4680,3365 5025.72,3365 5037.44,3353.28 ; IC6.8@4680,3365 4680,2972.98 U7.1@4722.98,2930 4722.98,2766.72 4734.69,2755 ; 5037.44,3353.28 5037.44,3521.28 5049.15,3533 5787.99,3533 5799.71,3521.28 IC2.8@5799.71,3365 5990.28,3365 6002,3353.28 ; 5037.44,3353.28 U2.8@5037.44,2930 5037.44,2786.92 5049.15,2775.2